# Altium PCB Gas_Sampler-PCB.PcbDoc
Units mil, origin at the board's own origin, x right, y up, seen from the top; angles counter-clockwise.
Board outline 4400 x 3400 mil, 2 copper layers (Top Layer, Bottom Layer), stack 62.8 mil thick; 130 components, 54 nets, 365 pads, 238 vias.
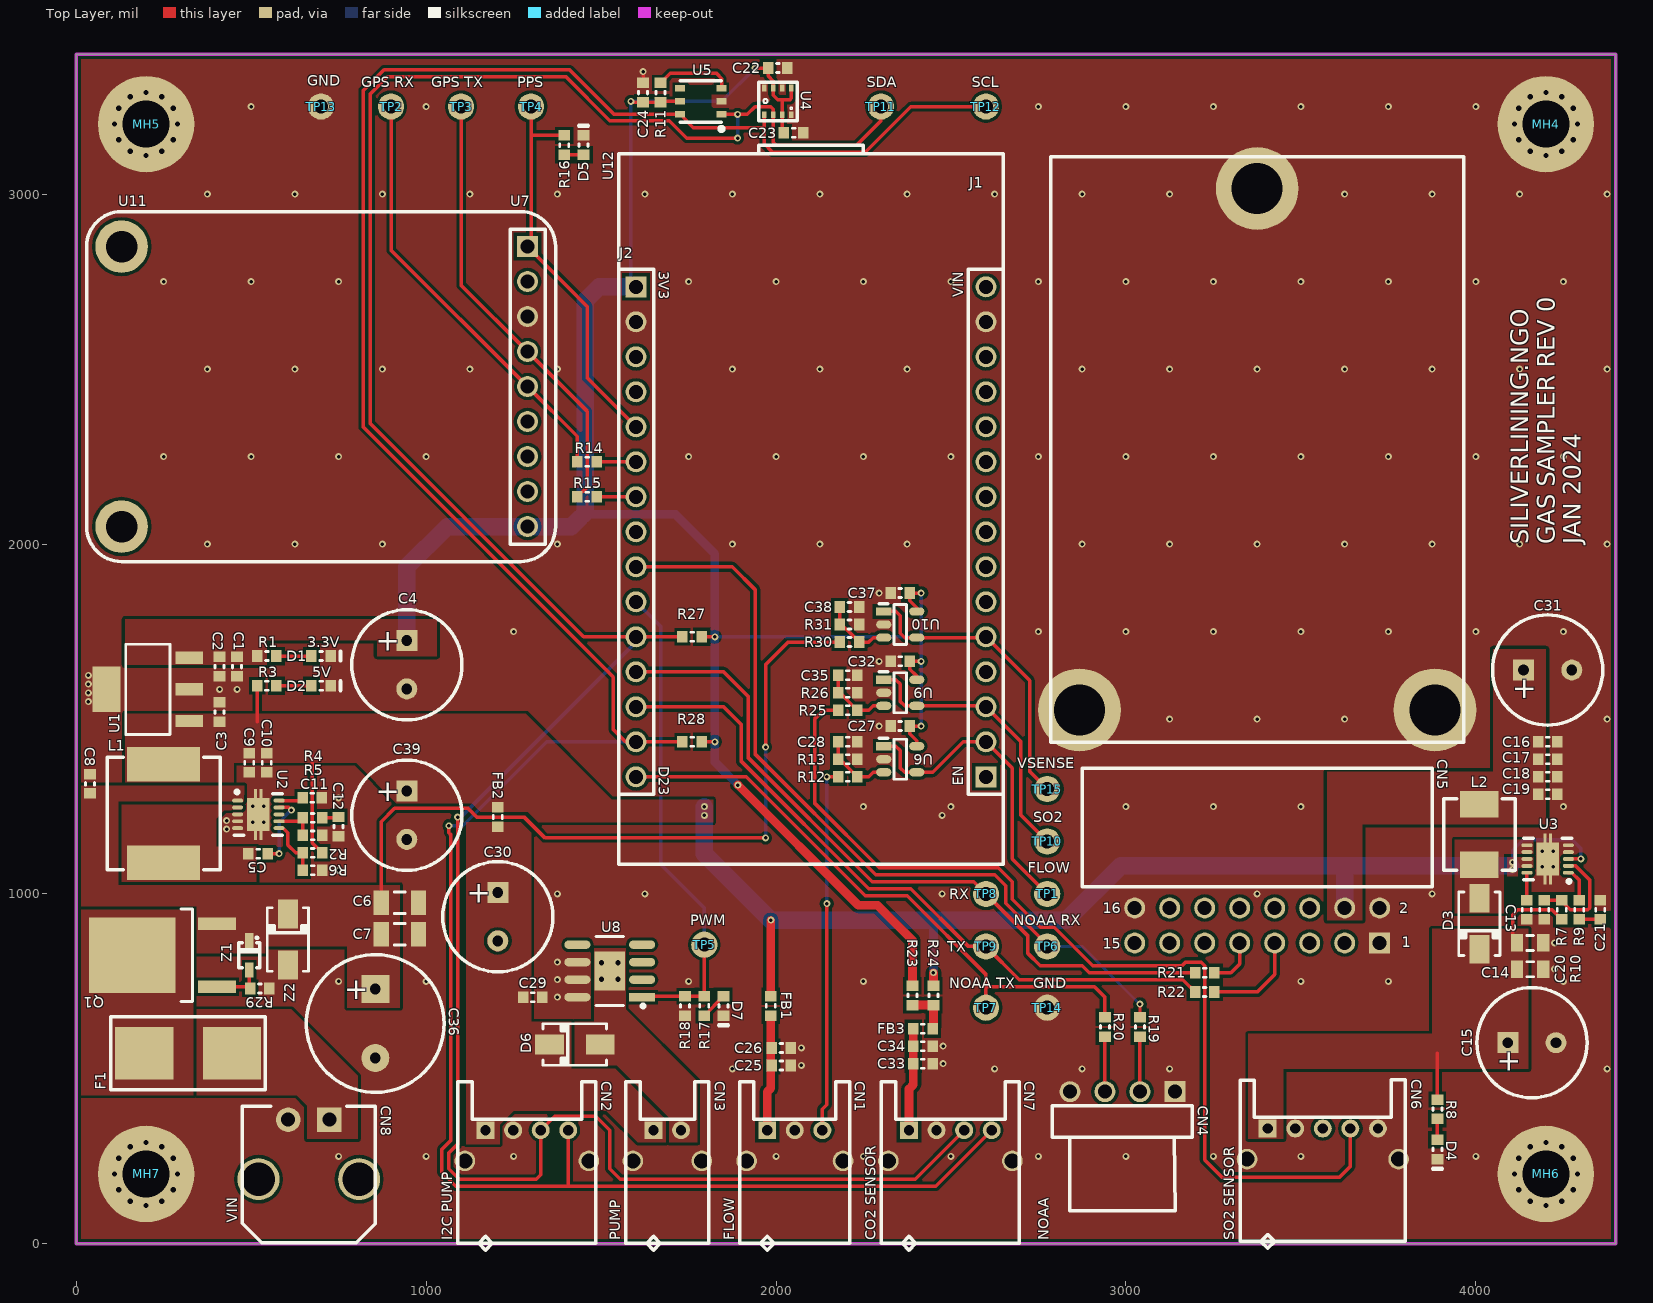
[diagram p0: Top Layer view]
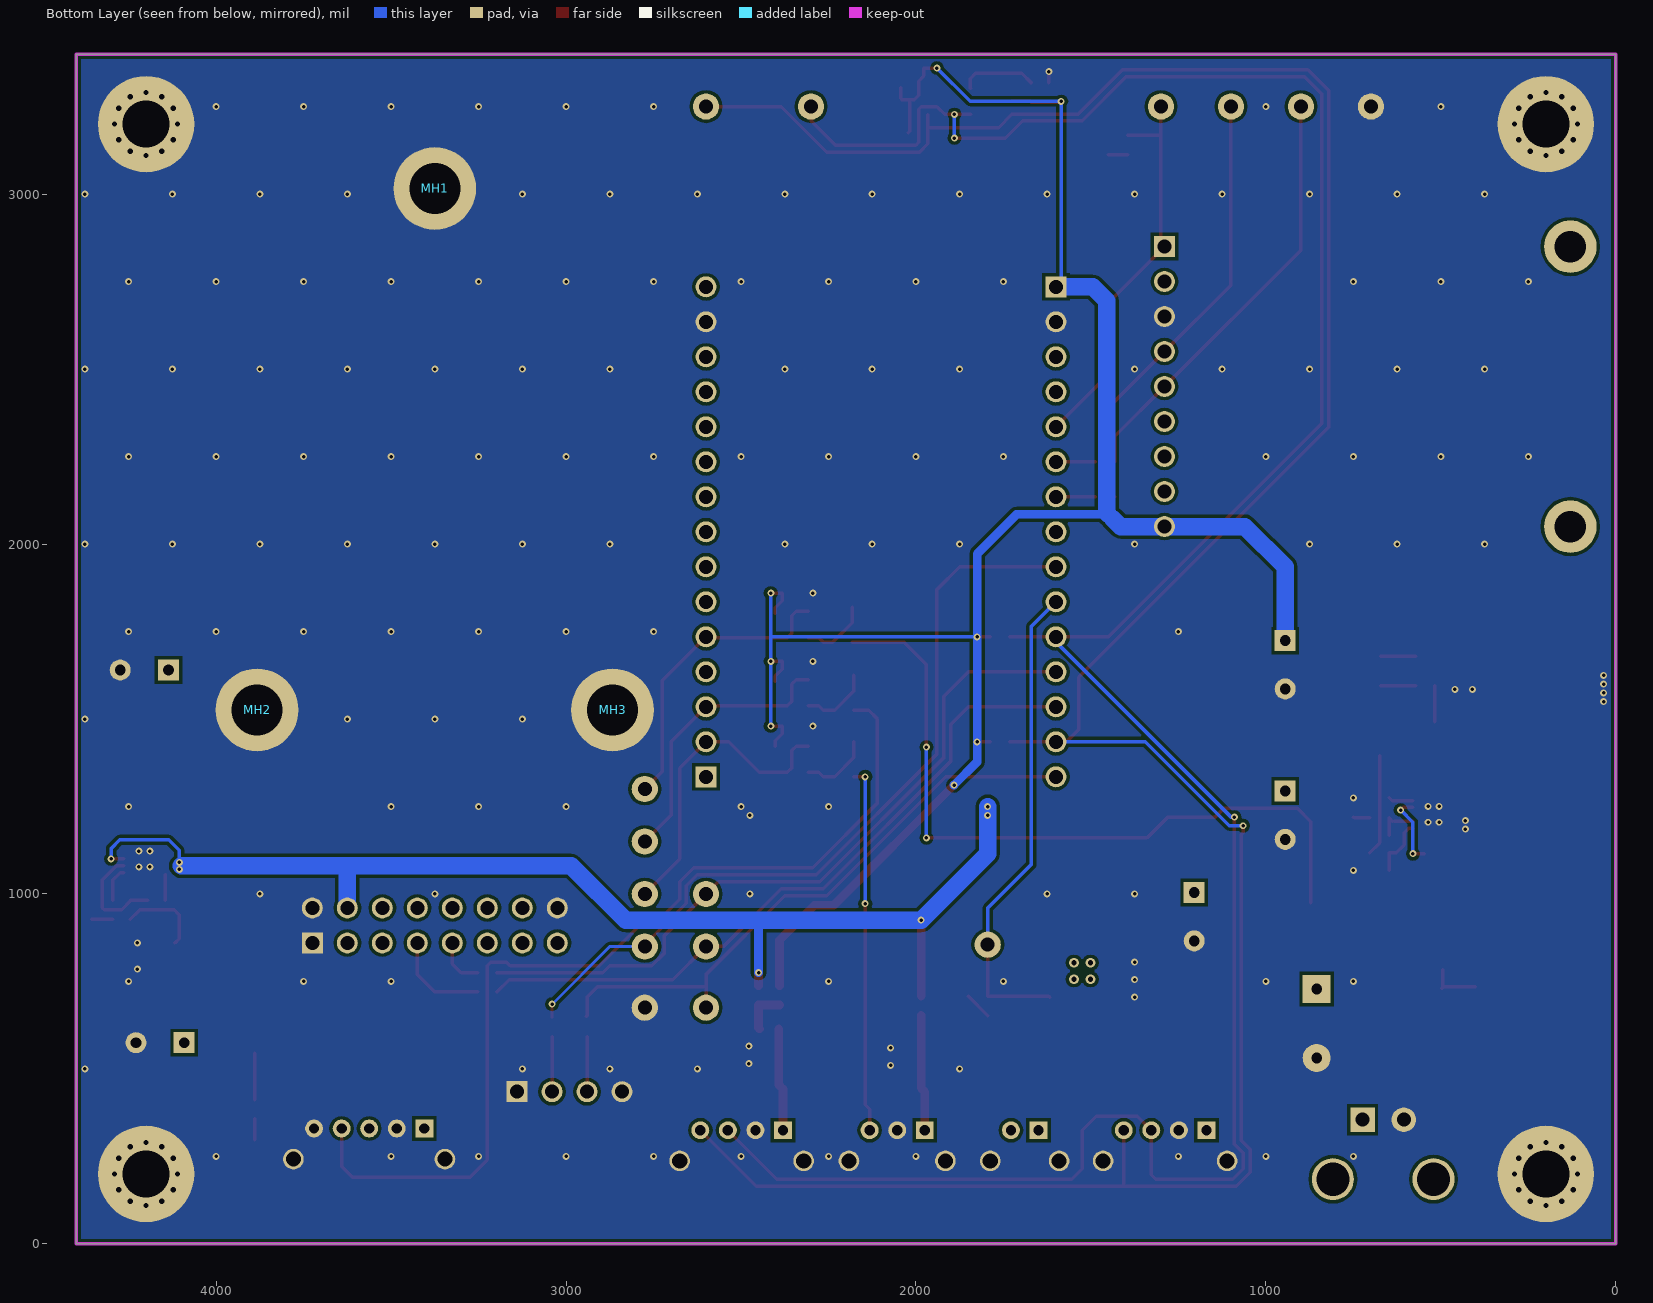
[diagram p1: Bottom Layer view, seen from below]
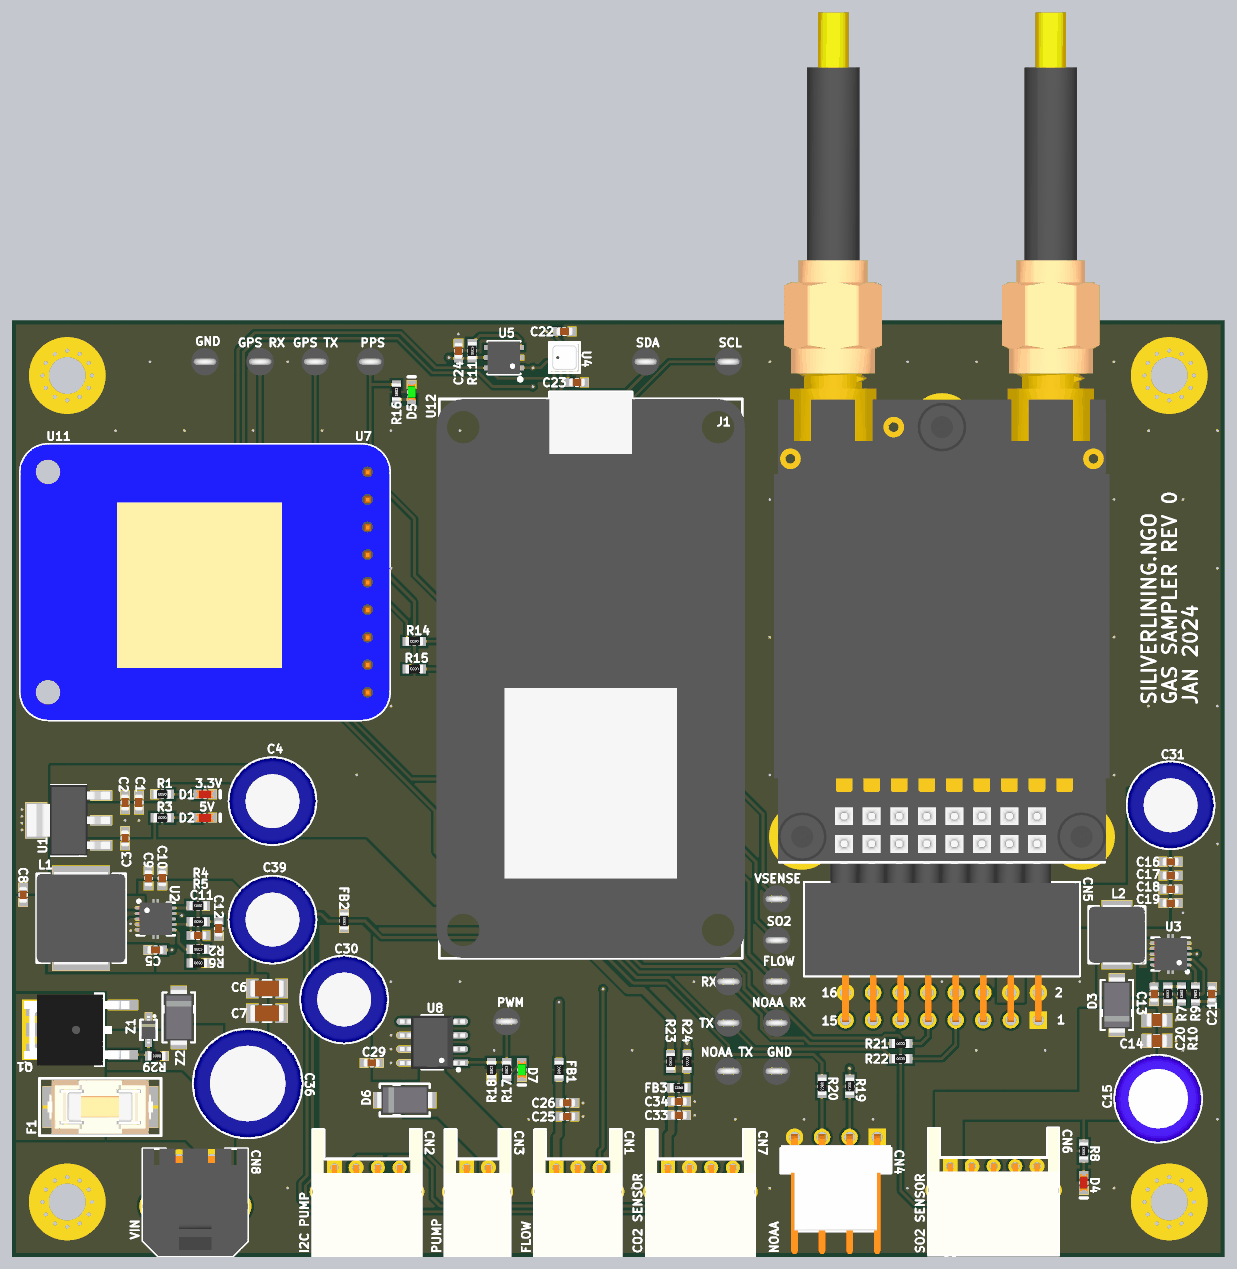
[diagram p2: 3D render of the assembled board from above, using the file's embedded part models]

## Layer stack, top to bottom
Top Layer: signal copper 1.4
Dielectric: core 60, FR-4, Dk 4.8
Bottom Layer: signal copper 1.4

## Board outline
0,0 0,3400 4400,3400 4400,0

## Design rules (kind name [scope] priority, off if disabled: settings)
Clearance Polyclear [(InPolygon)] p1: gap=9
Clearance [All] p2: gap=6
Height [All] p1 off: minheight=0 maxheight=2000 prefheight=500
HoleSize [All] p1: absolutevalues=TRUE maxlimit=300 minlimit=10 maxpercent=80.000 minpercent=20.000
MinimumAnnularRing [OnLayer(MidLayer1) or OnLayer(InternalPlane1)] p1: minimumring=7
MinimumSolderMaskSliver [All] p1 off: minsoldermaskwidth=10
PlaneClearance [All] p1: clearance=10
PlaneConnect [All] p1: planeconnectstyle=Direct reliefexpansion=20 reliefentries=4 reliefconductorwidth=10 reliefairgap=10
PolygonConnect [All] p1: connectstyle=Direct reliefconductorwidth=10 reliefentries=4 polygonreliefangle="90 Angle" airgapwidth=10
RoomDefinition U_VIN [InComponentClass('U_VIN')] p1 off: confinementstyle=ConfineIn formatcopy=TRUE lockcomponents=FALSE outline 7900,4400 9000,4400 9000,4700 7900,4700
RoomDefinition U_SENSORS [InComponentClass('U_SENSORS')] p2 off: confinementstyle=ConfineIn formatcopy=TRUE lockcomponents=FALSE outline 7900,4000 9000,4000 9000,4300 7900,4300
RoomDefinition U_RADIO [InComponentClass('U_RADIO')] p3 off: confinementstyle=ConfineIn formatcopy=TRUE lockcomponents=FALSE outline 7900,3600 9000,3600 9000,3900 7900,3900
RoomDefinition U_NOAA [InComponentClass('U_NOAA')] p4 off: confinementstyle=ConfineIn formatcopy=TRUE lockcomponents=FALSE outline 7900,1200 9000,1200 9000,1500 7900,1500
RoomDefinition U_MOTOR [InComponentClass('U_MOTOR')] p5 off: confinementstyle=ConfineIn formatcopy=TRUE lockcomponents=FALSE outline 7900,1600 9000,1600 9000,1900 7900,1900
RoomDefinition U_GPS [InComponentClass('U_GPS')] p6 off: confinementstyle=ConfineIn formatcopy=TRUE lockcomponents=FALSE outline 7900,400 9000,400 9000,700 7900,700
RoomDefinition U_FLOW [InComponentClass('U_FLOW')] p7 off: confinementstyle=ConfineIn formatcopy=TRUE lockcomponents=FALSE outline 7900,0 9000,0 9000,300 7900,300
RoomDefinition U_BME [InComponentClass('U_BME')] p8 off: confinementstyle=ConfineIn formatcopy=TRUE lockcomponents=FALSE outline 7900,2400 9000,2400 9000,2700 7900,2700
RoomDefinition U_5V [InComponentClass('U_5V')] p9 off: confinementstyle=ConfineIn formatcopy=TRUE lockcomponents=FALSE outline 7900,2000 9000,2000 9000,2300 7900,2300
RoomDefinition U_3V [InComponentClass('U_3V')] p10 off: confinementstyle=ConfineIn formatcopy=TRUE lockcomponents=FALSE outline 7900,800 9000,800 9000,1100 7900,1100
RoomDefinition U-9VBOOST [InComponentClass('U-9VBOOST')] p11 off: confinementstyle=ConfineIn formatcopy=TRUE lockcomponents=FALSE outline 7900,2800 9000,2800 9000,3100 7900,3100
RoomDefinition Gas_Sampler-Top [InComponentClass('Gas_Sampler-Top')] p12 off: confinementstyle=ConfineIn formatcopy=TRUE lockcomponents=FALSE outline 7900,3200 9000,3200 9000,3500 7900,3500
RoutingVias SmallVias [All] p1: holewidth=10 width=20 viastyle="Through Hole" minholewidth=10 minwidth=20 maxholewidth=15 maxwidth=28
RoutingVias [All] p2: holewidth=15 width=28 viastyle="Through Hole" minholewidth=15 minwidth=28 maxholewidth=15 maxwidth=28
SilkToSilkClearance [All] p1 off: silktosilkclearance=10
SilkToSolderMaskClearance SilkscreenOverComponentPads [IsPad] p1 off: minsilkscreentomaskgap=10 clearancetoexposedcopper=TRUE
SolderMaskExpansion [All] p1: expansion=1.5
Width [All] p1: maxlimit=200 minlimit=6 preferedwidth=8
21 further rules are at their usual default settings.

## Classes and differential pairs
component class Gas_Sampler-Top: J1 J2 MH4 MH5 MH6 MH7 R27 R28 TP11 TP12 TP13 TP14 U12
component class U-9VBOOST: C13 C14 C15 C16 C17 C18 C19 C20 C21 D3 D4 L2 R7 R8 R9 R10 U3
component class U_3V: C1 C2 C3 C4 C39 D1 R1 U1
component class U_5V: C5 C6 C7 C8 C9 C10 C11 C12 D2 L1 R2 R3 R4 R5 R6 U2
component class U_BME: C22 C23 C24 R11 U4 U5
component class U_FLOW: C25 C26 C27 C28 CN1 FB1 R12 R13 TP1 U6
component class U_GPS: D5 R14 R15 R16 TP2 TP3 TP4 U7 U11
component class U_MOTOR: C29 C30 CN2 CN3 D6 D7 FB2 R17 R18 TP5 U8
component class U_NOAA: CN4 R19 R20 TP6 TP7
component class U_RADIO: C31 CN5 MH1 MH2 MH3 R21 R22 TP8 TP9
component class U_SENSORS: C32 C33 C34 C35 CN6 CN7 FB3 R23 R24 R25 R26 TP10 U9
component class U_VIN: C36 C37 C38 CN8 F1 Q1 R29 R30 R31 TP15 U10 Z1 Z2

## Components (designator, comment, footprint, x,y, rotation, side; value= is the part's Value field where it differs from the comment)
C1 "CAP_CER_0603_0.1UF_50V_10%_X7R" C0603 460,1650 r270 top
C2 "CAP_CER_0603_10UF_10V_20%_X5R" C0603 410,1650 r270 top
C3 "CAP_CER_0603_10UF_10V_20%_X5R" C0603 410,1520 r90 top
C4 "CAP_ALUM_470UF_6.3V_20%_RADIAL_8X11.5MM" CAP_RADIAL_8MM_DIA_11.5MM_LEN_3.5MM_LEADSPACE 945,1655 r0 top
C5 "CAP_CER_0603_0.1UF_50V_10%_X7R" C0603 520,1115 r180 top
C6 "CAP_CER_1206_22UF_35V_20%_X5R" C1206 925,975 r0 top
C7 "CAP_CER_1206_22UF_35V_20%_X5R" C1206 925,885 r0 top
C8 "CAP_CER_0603_0.1UF_50V_10%_X7R" C0603 40,1315 r90 top
C9 "CAP_CER_0603_22UF_10V_20%_X5R" C0603 495,1375 r270 top
C10 "CAP_CER_0603_22UF_10V_20%_X5R" C0603 545,1375 r270 top
C11 "CAP_CER_0603_47PF_100V_5%_NP0" C0603 675.75,1167.56 r0 top
C12 "CAP_CER_0603_560PF_50V_5%_NP0" C0603 750,1192.5 r270 top
C13 "CAP_CER_0805_22UF_35V_20%_X5R" C0805 4155,860 r0 top
C14 "CAP_CER_0805_22UF_35V_20%_X5R" C0805 4155,785 r0 top
C15 "CAP_POLYMER_100UF_25V_20%_8X9MM_TH" CAP_RADIAL_8MM_DIA_9MM_LEN_3.5MM_LEADSPACE 4160,575 r90 top
C16 "CAP_CER_0603_10UF_10V_20%_X5R" C0603 4205,1435 r0 top
C17 "CAP_CER_0603_10UF_10V_20%_X5R" C0603 4205,1385 r0 top
C18 "CAP_CER_0603_10UF_10V_20%_X5R" C0603 4205,1335 r0 top
C19 "CAP_CER_0603_1UF_16V_10%_X7R" C0603 4205,1285 r0 top
C20 "CAP_CER_0603_0.1UF_50V_10%_X7R" C0603 4145,955 r270 top
C21 "CAP_CER_0603_820PF_50V_5%_C0G/NP0" C0603 4355,955 r90 top
C22 "CAP_CER_0603_0.1UF_50V_10%_X7R" C0603 2005,3360 r0 top
C23 "CAP_CER_0603_0.1UF_50V_10%_X7R" C0603 2050,3175 r0 top
C24 "CAP_CER_0603_0.1UF_50V_10%_X7R" C0603 1620,3290 r90 top
C25 "CAP_CER_0603_0.1UF_50V_10%_X7R" C0603 2015,510 r0 top
C26 "CAP_CER_0603_10UF_10V_20%_X5R" C0603 2015,560 r0 top
C27 "CAP_CER_0603_0.1UF_50V_10%_X7R" C0603 2355,1480 r180 top
C28 "CAP_CER_0603_1UF_16V_10%_X7R" C0603 2205,1435 r0 top
C29 "CAP_CER_0603_0.1UF_50V_10%_X7R" C0603 1305,705 r0 top
C30 "CAP_ALUM_470UF_6.3V_20%_RADIAL_8X11.5MM" CAP_RADIAL_8MM_DIA_11.5MM_LEN_3.5MM_LEADSPACE 1205,935 r0 top
C31 "CAP_ALUM_470UF_6.3V_20%_RADIAL_8X11.5MM" CAP_RADIAL_8MM_DIA_11.5MM_LEN_3.5MM_LEADSPACE 4205,1640 r90 top
C32 "CAP_CER_0603_0.1UF_50V_10%_X7R" C0603 2355,1665 r180 top
C33 "CAP_CER_0603_0.1UF_50V_10%_X7R" C0603 2420,515 r0 top
C34 "CAP_CER_0603_10UF_10V_20%_X5R" C0603 2420,565 r0 top
C35 "CAP_CER_0603_1UF_16V_10%_X7R" C0603 2205,1625 r0 top
C36 "CAP_ALUM_270UF_25V_20%_RADIAL_10X12.5MM" CAP_RADIAL_10MM_DIA_12.5MM_LEN_5MM_LEADSPACE 855,630 r0 top
C37 "CAP_CER_0603_0.1UF_50V_10%_X7R" C0603 2355,1860 r180 top
C38 "CAP_CER_0603_1UF_16V_10%_X7R" C0603 2210,1820 r0 top
C39 "CAP_ALUM_470UF_6.3V_20%_RADIAL_8X11.5MM" CAP_RADIAL_8MM_DIA_11.5MM_LEN_3.5MM_LEADSPACE 945,1225 r0 top
CN1 "FLOW" JST_PA_S03B-PASK-2 1975,325 r0 top
CN2 "I2C PUMP" JST_PA_S04B-PASK-2 1170,325 r0 top
CN3 "PUMP" JST_PA_S02B-PASK-2 1650,325 r0 top
CN4 "NOAA" TE_3-641216-4 2990,435 r180 top
CN5 "RFD900" RFD900_FLAT 3375,2300 r0 top
CN6 "SO2 SENSOR" JST_PA_S05B-PASK-2 3405,330 r0 top
CN7 "CO2 SENSOR" JST_PA_S04B-PASK-2 2380,325 r0 top
CN8 "VIN" MICROFIT_3_SINGLE_ROW_RA_TH_CLIP_2POS 665,355 r0 top
D1 "3.3V" LED_0603_RED 700,1680 r0 top
D2 "5V" LED_0603_RED 700,1595 r0 top
D3 "SCHOTTKY_40V_3A_B340A-13-F" SMA 4010,915 r270 top
D4 "9V" LED_0603_RED 3890,270 r270 top
D5 "PPS" LED_0603_GREEN 1450,3140 r90 top
D6 "DIODE_ES1B-FDICT-ND" SMA 1425,570 r180 top
D7 "PWM" LED_0603_GREEN 1850,680 r270 top
F1 "FUSE_4A_OMNIBLOK_0154004" FUSEHOLDER_LITTLEFUSE_0154005.DR 320,545 r180 top
FB1 "FERRITE_BEAD_0603_1.3A_600_OHM" R0603 1985,680 r270 top
FB2 "FERRITE_BEAD_0603_1.3A_600_OHM" R0603 1205,1220 r270 top
FB3 "FERRITE_BEAD_0603_1.3A_600_OHM" R0603 2420,615 r180 top
J1 "ESP32-DEVKIT_V1-30PIN_MODULE_J2" SOCKET_1X15_POS_0.1_INCH 2600,2035 r90 top
J2 "ESP32-DEVKIT_V1-30PIN_MODULE_J3" SOCKET_1X15_POS_0.1_INCH 1600,2035 r270 top
L1 "IND_15UH_4.9A_IHLP3232DZER150M11" INDUCTOR_IHLP3232_4MM_HEIGHT 250,1230 r180 top
L2 "IND_3.3UH_4.1A_IHLP2020BZER3R3M11" INDUCTOR_IHLP2020_2MM_HEIGHT 4010,1170 r0 top
MH1 "STANDOFF_M2.5_5.1X1.5MM_9774015151R" STANDOFF_M2.5_5.1X1.5MM 3375,3016.06 r180 bottom
MH2 "STANDOFF_M2.5_5.1X1.5MM_9774015151R" STANDOFF_M2.5_5.1X1.5MM 3882.87,1525.91 r180 bottom
MH3 "STANDOFF_M2.5_5.1X1.5MM_9774015151R" STANDOFF_M2.5_5.1X1.5MM 2867.13,1525.91 r180 bottom
MH4 "SCREW" SCREW_M3 4200,3200 r0 top
MH5 "SCREW" SCREW_M3 200,3200 r0 top
MH6 "SCREW" SCREW_M3 4200,200 r0 top
MH7 "SCREW" SCREW_M3 200,200 r0 top
Q1 "PFET_AOD409" DPAK 245,825 r180 top
R1 "RES_0603_470_OHM_1/10W_1%" R0603 545,1680 r180 top
R2 "RES_0603_100K_OHM_1/10W_1%" R0603 675.75,1117.56 r0 top
R3 "RES_0603_1K_OHM_1/10W_1%" R0603 545,1595 r180 top
R4 "RES_0603_133K_OHM_1/10W_1%" R0603 675,1275 r180 top
R5 "RES_0603_23.7K_OHMS_1/10W_1%" R0603 675.75,1217.56 r180 top
R6 "RES_0603_19.1K_OHM_1/10W_1%" R0603 675.75,1067.56 r180 top
R7 "RES_0603_187K_OHMS_1/10W_1%" R0603 4245,955 r270 top
R8 "RES_0603_1K_OHM_1/10W_1%" R0603 3890,385 r90 top
R9 "RES_0603_105K_OHM_1/10W_1%" R0603 4295,955 r90 top
R10 "RES_0603_28K_OHM_1/10W_1%" R0603 4195,955 r90 top
R11 "RES_0603_DNP" R0603 1670,3290 r90 top
R12 "RES_0603_1K_OHM_1/10W_1%" R0603 2205,1335 r180 top
R13 "RES_0603_DNP" R0603 2205,1385 r180 top
R14 "RES_0603_100_OHM_1/10W_1%" R0603 1460,2235 r180 top
R15 "RES_0603_100_OHM_1/10W_1%" R0603 1460,2135 r180 top
R16 "RES_0603_470_OHM_1/10W_1%" R0603 1395,3140 r90 top
R17 "RES_0603_470_OHM_1/10W_1%" R0603 1795,680 r90 top
R18 "RES_0603_100K_OHM_1/10W_1%" R0603 1740,680 r90 top
R19 "RES_0603_100_OHM_1/10W_1%" R0603 3040,620 r270 top
R20 "RES_0603_100_OHM_1/10W_1%" R0603 2940,620 r270 top
R21 "RES_0603_100_OHM_1/10W_1%" R0603 3225,775 r0 top
R22 "RES_0603_100_OHM_1/10W_1%" R0603 3225,720 r0 top
R23 "RES_0603_0_OHM_1/10W" R0603 2390,710 r90 top
R24 "RES_0603_DNP" R0603 2450,710 r90 top
R25 "RES_0603_4.7K_OHM_1/10W_1%" R0603 2205,1525 r180 top
R26 "RES_0603_10K_OHM_1/10W_1%" R0603 2205,1575 r180 top
R27 "RES_0603_2.2K_OHM_1/10W_1%" R0603 1760,1735 r0 top
R28 "RES_0603_2.2K_OHM_1/10W_1%" R0603 1760,1435 r0 top
R29 "RES_0603_1M_OHM_1/10W_1%" R0603 525,730 r180 top
R30 "RES_0603_64.9K_OHM_1/10W_1%" R0603 2210,1720 r180 top
R31 "RES_0603_10K_OHM_1/10W_1%" R0603 2210,1770 r180 top
TP1 "FLOW" TP_KEYSTONE_5001 2775,1000 r0 top
TP2 "GPS RX" TP_KEYSTONE_5001 900,3250 r0 top
TP3 "GPS TX" TP_KEYSTONE_5001 1100,3250 r0 top
TP4 "PPS" TP_KEYSTONE_5001 1300,3250 r0 top
TP5 "PWM" TP_KEYSTONE_5001 1795,855 r0 top
TP6 "NOAA RX" TP_KEYSTONE_5001 2775,850 r180 top
TP7 "NOAA TX" TP_KEYSTONE_5001 2600,675 r180 top
TP8 "RX" TP_KEYSTONE_5001 2600,1000 r0 top
TP9 "TX" TP_KEYSTONE_5001 2600,850 r0 top
TP10 "SO2" TP_KEYSTONE_5001 2775,1150 r0 top
TP11 "SDA" TP_KEYSTONE_5001 2300,3250 r0 top
TP12 "SCL" TP_KEYSTONE_5001 2600,3250 r0 top
TP13 "GND" TP_KEYSTONE_5001 700,3250 r0 top
TP14 "GND" TP_KEYSTONE_5001 2775,675 r0 top
TP15 "VSENSE" TP_KEYSTONE_5001 2775,1300 r0 top
U1 "LDO_MIC2920A-3.3WS" 4SOT223 205,1585 r180 top
U2 "BUCK_TPS54335ADRCR" PVSON50P300X300X70-10N 520.75,1227.56 r270 top
U3 "BOOST_TPS61087DR" PVSON50P300X300X70-10N 4205,1100 r90 top
U4 "PRESSURE_BME280" BOSCH_BME280 2005,3265 r270 top
U5 "HUMIDITY_HDC2080DMBR" 6DFN3X3_NO_EP 1785,3265 r90 top
U6 "OPAMP_AD8541ARTZ" 5SOT23 2355,1385 r0 top
U7 "GPS_PA1616S_BREAKOUT" HEADER_1X9_POS_UNSHROUDED 1290,2450 r270 top
U8 "LOW_SW_BTS3125EJXUMA1" 8SOIC150E 1525,780 r180 top
U9 "OPAMP_AD8541ARTZ" 5SOT23 2355,1575 r0 top
U10 "OPAMP_AD8541ARTZ" 5SOT23 2355,1770 r0 top
U11 "GPS_PA1616S_BREAKOUT_MODULE" GPS_PA1616S_BREAKOUT 700,2450 r90 top
U12 "ESP32-DEVKIT_V1" ESP32_DEVKITV1_MODULE 2100,2100 r0 top locked
Z1 "ZENER_MM3Z15VC" SOD323 495,825 r270 top
Z2 "TVS_UNI_SMAJ24A" SMA 605,870 r90 top
